# KiCad board NoU2-panelized.kicad_pcb (continued)
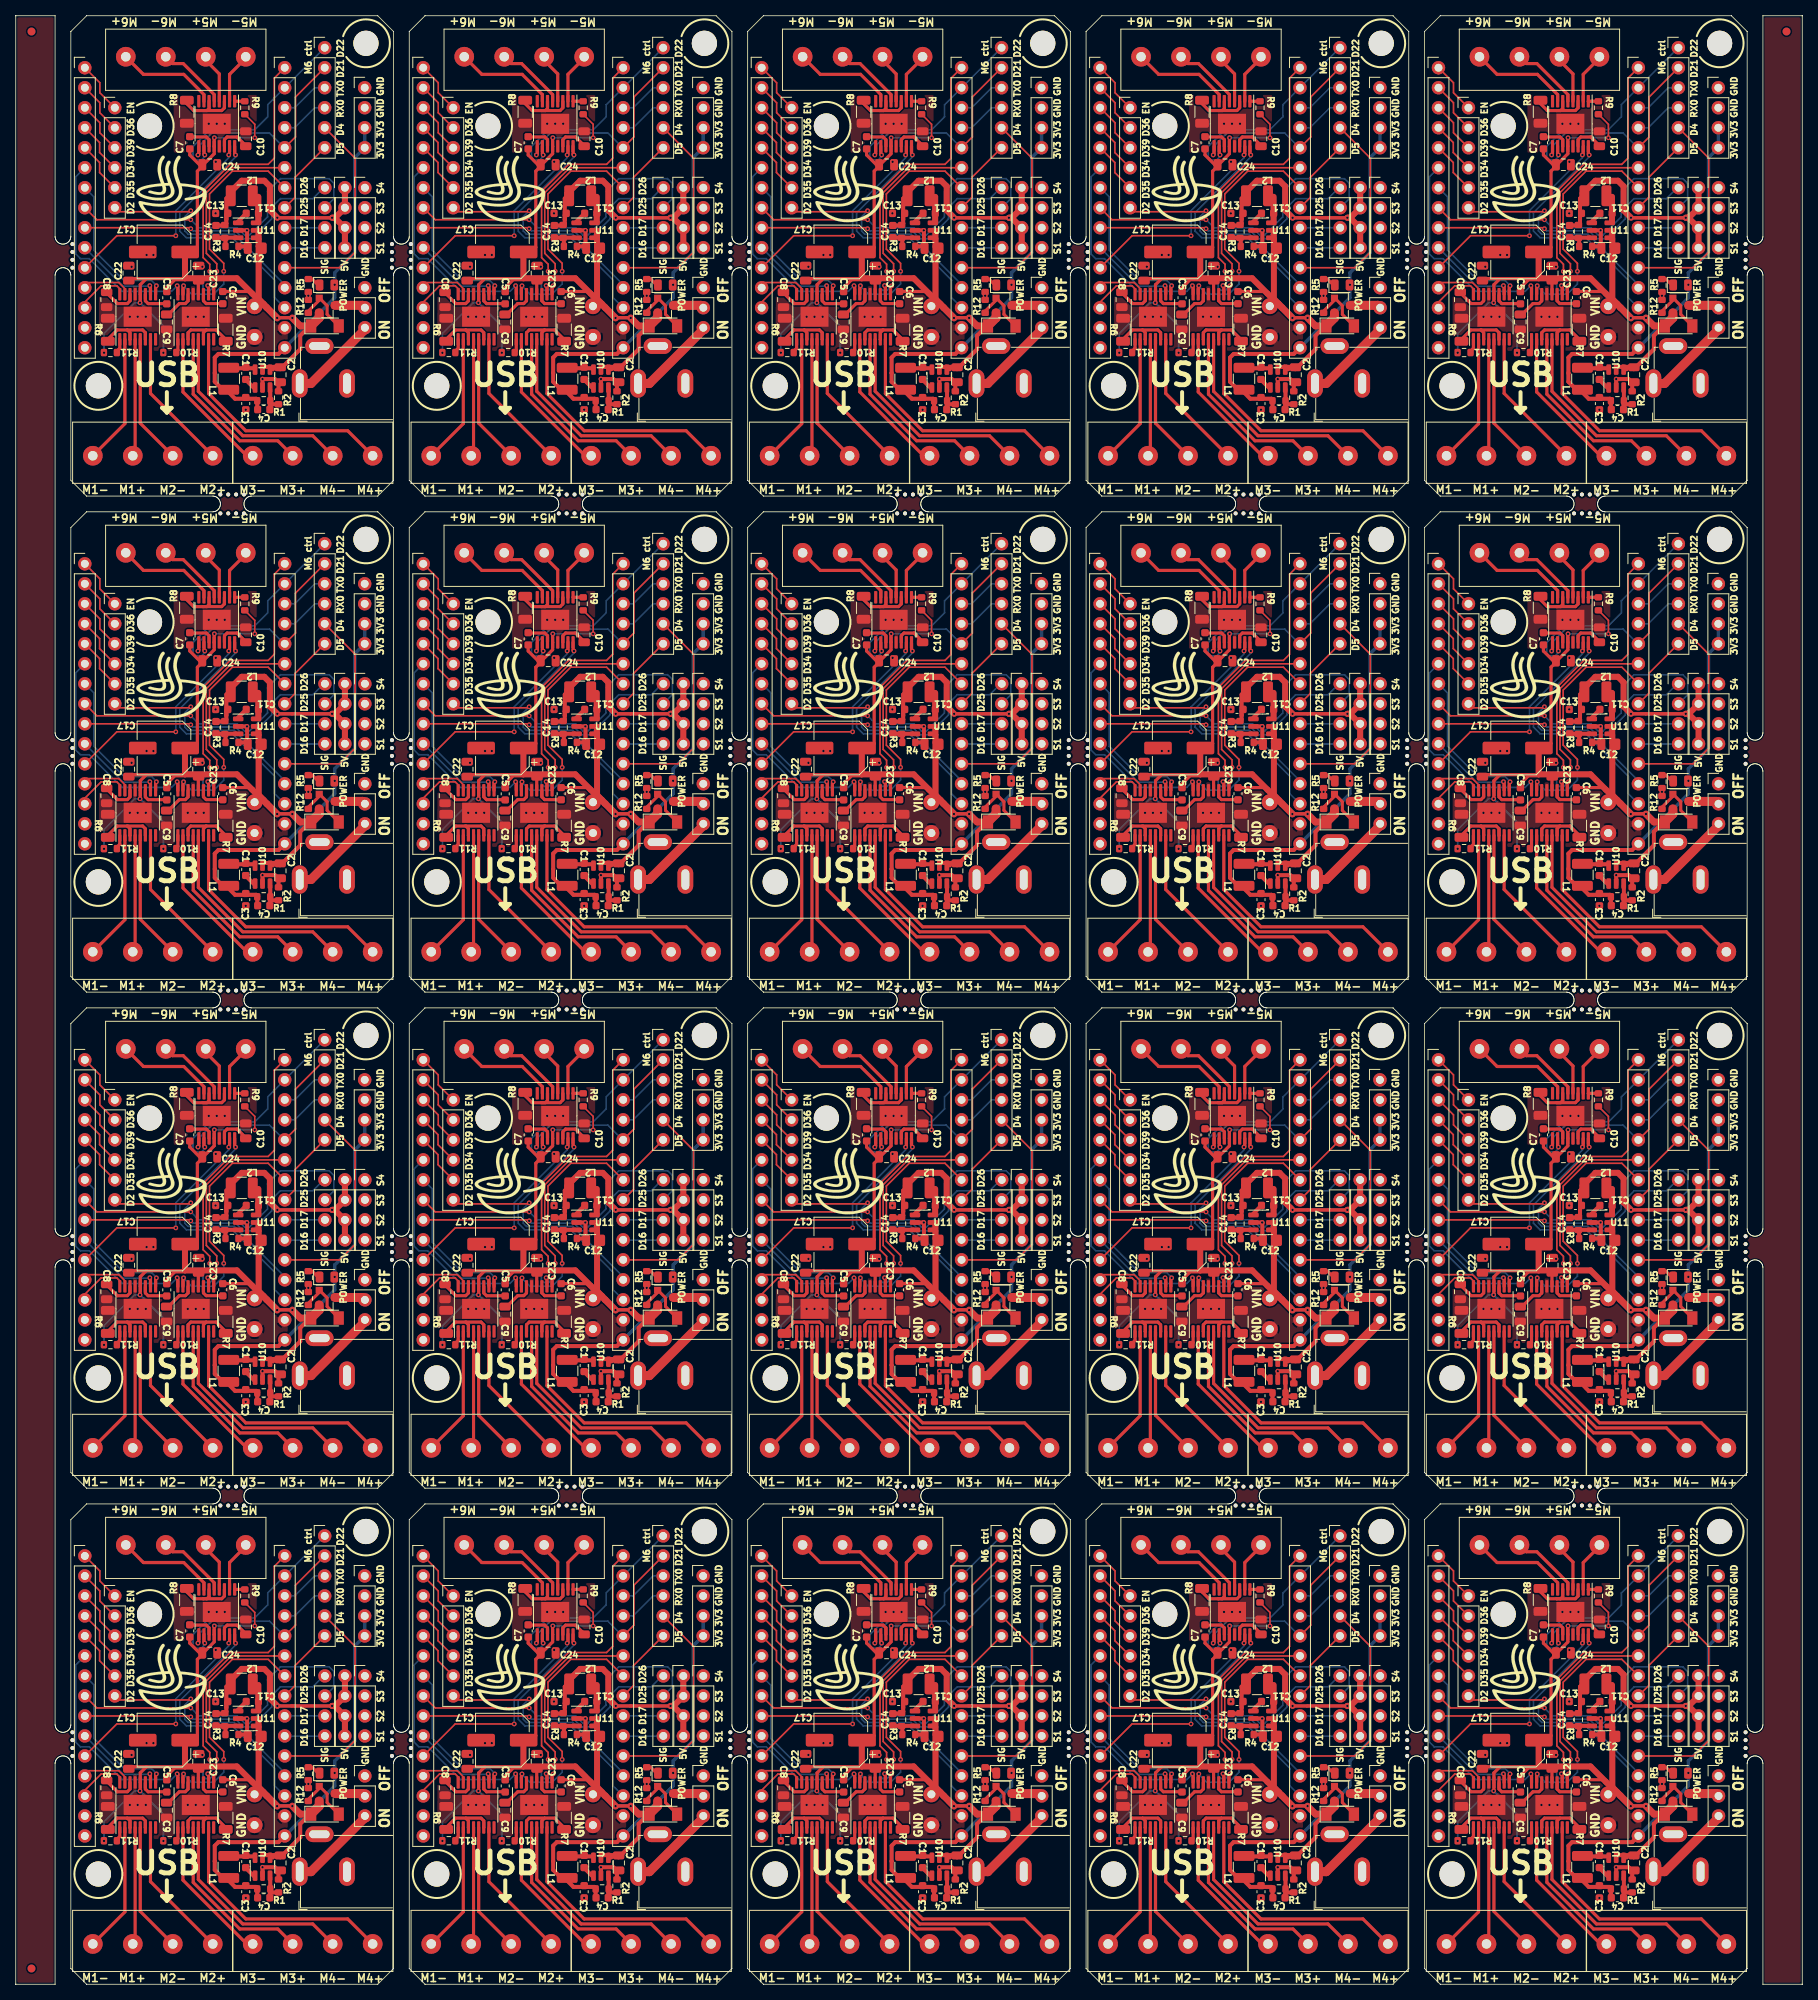
[diagram p0: board, top side]
## Routing (per net, layer and track width the routed paths; a pad name or vN(x,y) marks a point on that pad's centre or on a via; arc(x,y) is an arc through that point) (continued)
  vias: v1(57.49,85.77) v1(57.72,92.12) v1(58.5,85.77) v1(59.53,85.77) v1(59.63,93.62) v1(60.49,93.62) v1(64.86,85.77) v1(65.88,85.77) v1(66.71,92.12) v1(66.89,85.77) v1(67.53,110.28) v1(68.42,105.46) v1(68.39,98.9) v1(68.54,110.28) v1(69.56,110.28) v1(72.22,73.96) v1(80.18,88.44)
Board_11-M1A: length 6.9
  Top w0.203: U1#18.16 56.22,89.33 55.85,89.7 53.85,89.7 51.78,87.63 J10#3.13
Board_11-M1B: length 6.8
  Top w0.203: U1#18.15 56.87,89.34 56.1,90.12 51.78,90.12 J10#3.12
Board_11-M2A: length 11.3
  Top w0.399: U1#18.10 60.12,89.57 60.03,89.66
  Bottom w0.203: 60.03,89.66 56.65,89.66 J10#3.10
  vias: v1(60.03,89.72)
Board_11-M2B: length 19.4
  Top w0.399: 60.87,89.66 60.77,89.56 U1#18.9
  Bottom w0.203: 60.87,89.72 60.87,89.66 v1(60.87,89.71) 60.87,89.76 60.26,90.37 56.78,90.37 52.93,94.22 52.93,101 J10#3.7
Board_11-M3A: length 27.6
  Top w0.399: U3#11.16 63.6,89.57 63.51,89.66
  Bottom w0.203: v1(63.51,89.72) 62.79,89 56.5,89 52.35,93.15 51.23,93.15 50.63,93.75 50.63,103.54 J10#3.6
Board_11-M3B: length 30.9
  Top w0.203: 64.25,89.58 64.33,89.66 ; v1(69.43,91.54) 69.43,92.55 67.62,94.36 67.62,101.36 70.52,104.26 75.07,104.26 J11#2.7
  Top w0.399: U3#11.15 64.25,89.58
  Bottom w0.203: 64.33,89.66 65.34,88.65 68.15,88.65 69.43,89.93 v1(69.43,91.54)
  vias: v1(64.33,89.71)
Board_11-M4A: length 25.2
  Top w0.203: J11#2.6 70.39,104.7 67.22,101.53 67.22,93.83 68.54,92.5 v1(68.54,91.54)
  Top w0.399: U3#11.10 67.5,89.56 67.4,89.66
  Bottom w0.203: v1(68.54,91.54) 68.54,90.82 67.4,89.67 67.4,89.66
  vias: v1(67.4,89.74)
Board_11-M4B: length 38.7
  Top w0.203: J11#2.1 75.86,116.08 75.86,105.92 75.07,105.13 70.24,105.13 66.81,101.7 66.81,93.28 67.65,92.44 v1(67.65,91.54)
  Top w0.399: 68.26,89.66 68.15,89.55 U3#11.9
  Bottom w0.203: v1(68.29,89.71) 67.71,89.13 67.11,89.13 66.79,89.44 66.79,90.12 67.65,90.98 v1(67.65,91.54)
Board_11-M5A: length 32.5
  Top w0.399: 70.93,106.37 v1(70.93,106.32) 70.82,106.43 U2#13.16
  Bottom w0.203: v1(70.93,106.32) 70.93,106.07 63.84,98.98 63.84,96.65 64.69,95.81 70.51,95.81 75.91,90.41 75.91,88.19 77.17,86.92 J11#2.13
Board_11-M5B: length 27.4
  Top w0.203: v1(63.33,96.06) 55.84,96.06 J10#3.11
  Top w0.399: 70.07,106.37 70.17,106.47 U2#13.15
  Bottom w0.203: v1(63.33,96.06) 63.33,99.24 70.07,105.97 70.07,106.37
  vias: v1(70.07,106.32)
Board_11-M6A: length 27.3
  Top w0.203: 82.25,119.94 J1#17.1
  Top w0.399: 67.02,106.37 66.92,106.47 U2#13.10
  Bottom w0.203: 82.25,119.94 J11#2.2 75.02,112.7 75.02,111.17 73.37,109.52 67.65,109.52 65.52,107.39 65.52,106.02 65.85,105.69 66.59,105.69 67.02,106.12 v1(67.02,106.32)
Board_11-M6B: length 26.9
  Top w0.203: J1#17.2 78.55,113.69 78.55,108.61 J11#2.5
  Top w0.399: 66.15,106.37 66.27,106.49 U2#13.9
  Bottom w0.203: J11#2.5 77.11,107.24 75.24,109.11 67.92,109.11 66.27,107.46 66.27,106.49 66.15,106.37
  vias: v1(66.15,106.32)
Board_11-Net-(C1-Pad1): length 3.3
  Top w0.508: 73.43,79.23 70.15,79.23
Board_11-Net-(C1-Pad2): length 1.7
  Top w0.508: 72.2,77.8 73.37,76.63 ; 72.33,77.81 72.33,77.78
Board_11-Net-(C4-Pad1): length 4.1
  Top w0.508: 75.29,75.06 R1#15.2 75.34,76.59 ; 75.29,75.06 C4#14.1 ; 75.29,75.06 75.29,74.84 75.46,74.66 R2#7.1 ; 75.41,75.06 75.46,75.1
Board_11-Net-(C5-Pad2): length 3.7
  Top w0.399: U1#18.11 59.47,87.79 59.82,87.44 62.16,87.44 C5#3.2
Board_11-Net-(C6-Pad2): length 3.4
  Top w0.399: C6#4.2 69.28,87.45 67.19,87.45 66.85,87.79 U3#11.11
Board_11-Net-(C7-Pad2): length 3.5
  Top w0.399: U2#13.11 67.57,108.27 67.22,108.61 65.15,108.61 C7#16.2
Board_11-Net-(C8-Pad1): length 4.6
  Top w0.399: U1#18.14 57.52,87.79 57.18,87.45 55.91,87.45 54.55,88.81 C8#13.1
Board_11-Net-(C9-Pad1): length 4.3
  Top w0.399: U3#11.14 64.9,87.79 64.56,87.45 63.78,87.45 62.4,86.06 C9#14.1
Board_11-Net-(C10-Pad1): length 4.2
  Top w0.399: C10#8.1 72.22,107.51 71.12,108.61 69.86,108.61 69.52,108.27 U2#13.14
Board_11-Net-(C11-Pad1): length 3.5
  Top w0.508: 73.7,100.99 73.65,101.04 ; 73.7,99.04 C11#13.1 73.68,98.75
  Top w0.762: 73.83,99.06 73.83,101 ; 73.83,97.81 73.83,98.86
Board_11-Net-(C11-Pad2): length 1.7
  Top w0.508: 71.06,97.7 71.08,97.7 C11#13.2
Board_11-Net-(C14-Pad1): length 3.7
  Top w0.508: 71.06,95.8 71.04,95.82 C14#16.1 ; R4#16.1 69.65,95.69 R3#2.2
Board_11-Net-(D1-Pad1): length 1.6
  Top w0.381: 80.35,90.56 80.67,90.56 81.42,89.81 D1#10.1
Board_11-Net-(D2-Pad2): length 7.2
  Top w0.381: 80.2,86.27 80.2,86.51 81.56,87.87 Q1.1 82.56,87.17 82.56,86.08 D2#9.2
  Top w0.508: Q1.1 81.43,88.17
Board_11-Net-(J6-Pad1): length 16.5
  Top w0.399: J6#20.1 56.87,72.2 U1#18.2
Board_11-Net-(J6-Pad2): length 14.9
  Top w0.399: U1#18.4 58.17,68.42 J6#20.2
Board_11-Net-(J6-Pad3): length 16.5
  Top w0.399: J6#20.3 58.82,72.25 U1#18.5
Board_11-Net-(J6-Pad4): length 18.1
  Top w0.399: J6#20.4 60.12,76.03 U1#18.7
Board_11-Net-(J7-Pad1): length 18.9
  Top w0.399: U3#11.2 64.25,76.22 72.35,68.12 J7#7.1
Board_11-Net-(J7-Pad2): length 22.9
  Top w0.399: U3#11.4 65.55,75.94 71.47,70.02 76.29,70.02 J7#7.2
Board_11-Net-(J7-Pad3): length 27.1
  Top w0.399: U3#11.5 66.2,76.3 71.84,70.66 80.73,70.66 J7#7.3
Board_11-Net-(J7-Pad4): length 31
  Top w0.399: U3#11.7 67.5,76.02 72.22,71.29 85.18,71.29 J7#7.4
Board_11-Net-(J8-Pad1): length 6.5
  Top w0.399: J8#8.1 72.22,118.62 70.17,116.56 U2#13.2
Board_11-Net-(J8-Pad2): length 6.4
  Top w0.399: J8#8.2 67.14,118.34 68.87,116.61 U2#13.4
Board_11-Net-(J8-Pad3): length 9
  Top w0.399: U2#13.5 68.22,113.99 64.28,117.93 62.93,117.93 J8#8.3
Board_11-Net-(J8-Pad4): length 12.8
  Top w0.399: U2#13.7 66.92,113.99 64.35,116.56 59.22,116.56 J8#8.4
Board_11-Net-(J9-Pad1): length 11.3
  Top w1.143: 87.34,84.38 87.34,84.12 80.52,77.3 J9#3.1
Board_11-Net-(Q1-Pad3): length 3.9
  Top w1.143: U8.2 87.06,87.22 Q1.3
Board_11-Net-(R6-Pad2): length 7.8
  Top w0.399: 57.18,84.1 57.52,83.75 U1#18.3 57.52,82.91 ; 57.18,84.1 55.89,84.1 54.7,82.91 R6#16.2 ; 57.18,84.1 59.13,84.1 59.47,83.75 U1#18.6 59.47,82.91
Board_11-Net-(R7-Pad2): length 7.8
  Top w0.399: 66.84,82.9 U3#11.6 66.85,83.75 67.19,84.1 ; R7#16.2 69.69,82.89 68.47,84.1 67.19,84.1 ; 67.19,84.1 65.24,84.1 64.9,83.75 U3#11.3 64.9,82.91
Board_11-Net-(R8-Pad2): length 8.5
  Top w0.399: 64.73,113.4 64.73,112.84 65.61,111.96 66.79,111.96 ; 66.79,111.96 67.3,111.96 67.57,112.23 U2#13.6 ; 66.79,111.96 69.17,111.96 69.52,112.3 U2#13.3
Board_11-Net-(R9-Pad1): length 1.3
  Top w0.399: U2#13.1 70.82,113.14 R9.1
Board_11-Net-(R10-Pad1): length 1.7
  Top w0.399: 63.4,81.33 63.6,81.53 U3#11.1
Board_11-Net-(R11-Pad1): length 1.8
  Top w0.399: 55.78,81.33 56.22,81.77 U1#18.1
Board_11-RX0: length 6.1
  Bottom w0.203: J11#2.4 78.45,109.78 80.99,112.32 J1#17.4
Board_11-TX0: length 6.1
  Bottom w0.203: J1#17.3 80.99,114.86 78.45,112.32 J11#2.3
Board_11-VIN: length 111
  Top w0.203: v1(73.37,108.51) 73.37,110.22 R9.2
  Top w0.25: J14#4.1 74.71,87.12 74.9,86.93
  Top w0.399: C6#4.1 72.78,88.98 73.04,88.72 ; C24.1 66.82,105.08 68.22,106.48 U2#13.12 68.21,107.43 68.21,108.51 ; C24.1 66.36,105.08 65.11,106.32 C7#16.1 ; C24.1 66.7,104.89 66.08,104.26 66.08,94.59 65.49,94 C17#3.1 ; 72.01,111.4 R9.2 ; 64.49,90.47 63.31,90.47 ; 64.54,90.62 59.6,90.62 58.82,89.84 U1#18.12 58.82,87.56 58.81,87.55 ; C22#7.1 57.6,90.6 ; U3#11.12 66.2,90.35 66.21,90.36 ; C5#3.1 62.19,89.46 63.16,90.42 ; 57.65,90.62 59.62,90.62
  Top w0.432: v1(76.21,85.62) 76.25,85.65 78.11,85.65 v1(78.14,85.62)
  Top w0.508: C12.2 73.86,93.95 73.86,93.72 ; D2#9.1 80.38,84.6 79.15,83.37 79.15,81.65 76.78,79.28 76.77,79.28 76.6,79.11 ; 73.86,95.61 73.68,95.8 ; 76.52,79.41 75.61,79.41 ; 75.53,79.27 75.69,79.11 ; 74.65,79.4 75.27,79.4
  Top w0.762: 73.85,95.7 73.85,96.65 ; 74.46,87.37 73.86,87.97 73.86,95.61 ; C17#3.1 64.5,93.97 64.5,90.66 ; 64.57,90.66 71.1,90.66 73.66,88.1 73.74,88.1
  Top w0.864: v1(78.14,85.62) 79.16,84.6 D2#9.1 ; v1(76.21,85.62) 73.74,88.1
  Top w1.143: Q1.2 81.56,85.63 D2#9.1
  Bottom w0.203: v1(54.22,81.2) 54.22,83.64 58.13,87.55 v1(58.79,87.55) ; 68.21,108.51 v1(73.37,108.51)
  Bottom w0.25: v1(61.76,81.2) 61.76,84.58 v1(58.79,87.55)
  Bottom w0.432: v1(76.21,85.62) 76.25,85.65 78.11,85.65 v1(78.14,85.62)
  vias: v1(68.24,108.51)
Board_12-3V3: length 53
  Top w0.508: 116.81,74.04 116.86,73.99 ; J11#8.15 119.39,81.05 111.75,81.05 111.29,80.59 111.29,78.63 111.29,78.63 111.29,77.52 112.56,76.25 113.2,76.25 ; 113.07,76.37 112.94,76.5 112.94,76.29 113.87,75.36 116.56,75.36 116.81,75.1 ; R1#5.1 116.69,74.04
  Bottom w0.432: J11#8.15 126.53,88.19 v1(126.53,89.84) 126.53,91.36 129.09,93.92 129.09,105.99 J3#3.4 J3#3.3
Board_12-5V: length 40.3
  Top w0.432: v1(126.2,98.35) v1(119.24,98.35)
  Top w0.508: 112.98,99.1 112.98,98.9 112.76,98.69 112.76,98.14 ; 112.76,98.14 112.76,97.63 R3#18.1 112.5,97.37 C14#18.2 ; 112.76,98.14 112.76,100.79 113.11,101.14
  Top w0.762: v1(119.24,98.35) 118.3,99.29 118.3,102.33 117.59,103.05 115.58,103.05 115.57,103.04 114.72,103.04 113.11,101.43 113.11,101.14 ; 127.82,94.51 127.82,97.05 126.53,98.35 v1(126.2,98.35) 126.58,98.35 127.82,99.59 J12#16.1
  Bottom w0.432: v1(126.2,98.35) v1(119.24,98.35)
Board_12-/Sheet6057E9B8/D16: length 5.1
  Top w0.203: 120.21,94.51 J11#8.10
  Bottom w0.203: 125.28,94.51 120.21,94.51
Board_12-/Sheet6057E9B8/D17: length 5.1
  Top w0.203: 125.25,97.08 125.28,97.05
  Bottom w0.203: J11#8.9 125.25,97.08
Board_12-/Sheet6057E9B8/D34: length 6.7
  Top w0.203: 98.59,104.7 96.66,106.63 96.66,107.9 J10#9.4
Board_12-/Sheet6057E9B8/D35: length 6.7
  Top w0.203: 98.59,102.16 96.66,104.09 96.66,105.36 J10#9.5
Board_12-/Sheet6057E9B8/D36: length 6.7
  Top w0.203: J10#9.2 96.68,112.95 96.68,111.68 98.59,109.78
Board_12-/Sheet6057E9B8/D39: length 6.7
  Top w0.203: 98.59,107.24 96.68,109.14 96.68,110.41 J10#9.3
Board_12-/Sheet6057E9B8/EN: length 7.3
  Top w0.203: J10#9.1 96.68,115.49 96.68,114.22 98.59,112.32
  Top w0.399: 94.78,116.76 J10#9.1
Board_12-D2: length 28.7
  Top w0.203: v1(108.24,99.24) 108.11,99.11 99.1,99.11 J4#11.6
  Bottom w0.203: J11#8.12 120.18,89.84 113.77,96.25 107.9,96.25 107.48,96.67 107.48,98.47 v1(108.24,99.24)
Board_12-D4: length 27.2
  Top w0.203: J11#8.11 127.14,92 129.12,93.98 129.12,105.92 J1#12.5
Board_12-D5: length 9.7
  Top w0.203: J11#8.8 121.5,100.94 121.5,103.48 J1#12.6
Board_12-D25: length 41.8
  Top w0.203: v1(108.24,98.09) 96.3,98.09 J10#9.8
  Bottom w0.203: J2#16.2 126.44,100.77 126.44,102.71 125.83,103.31 119.63,103.31 118,101.68 118,98.46 115.68,96.14 115.08,96.14 114.15,97.08 109.26,97.08 v1(108.24,98.09)
Board_12-D26: length 34.6
  Top w0.203: v1(108.24,96.95) 108.15,97.08 J10#9.9
  Bottom w0.203: J2#16.1 125.13,102.16 123.75,100.77 119.63,100.77 118.53,99.67 118.53,98.22 115.99,95.68 114.91,95.68 113.91,96.67 108.52,96.67 v1(108.24,96.95)
Board_12-GND: length 10.3
  Top w0.508: R12#19.2 R5#9.1 123.15,88.88 ; 117.36,76.61 v1(117.36,77.86) 118.93,77.86 119.33,77.46 119.61,77.46 119.39,77.24 119.39,76.31 ; 115.32,73.98 115.32,73.98 ; 114.06,96.75 v1(115.38,96.75) 115.4,96.72 115.4,94.8 115.31,94.71 R4#4.2
  vias: v1(100.49,85.77) v1(100.72,92.12) v1(101.5,85.77) v1(102.53,85.77) v1(102.63,93.62) v1(103.49,93.62) v1(107.86,85.77) v1(108.88,85.77) v1(109.71,92.12) v1(109.89,85.77) v1(110.53,110.28) v1(111.42,105.46) v1(111.39,98.9) v1(111.54,110.28) v1(112.56,110.28) v1(115.22,73.96) v1(123.18,88.44)
Board_12-M1A: length 6.9
  Top w0.203: J10#9.13 94.78,87.63 96.85,89.7 98.85,89.7 99.22,89.33 U1#9.16
Board_12-M1B: length 6.8
  Top w0.203: J10#9.12 94.78,90.12 99.1,90.12 99.87,89.34 U1#9.15
Board_12-M2A: length 11.3
  Top w0.399: 103.03,89.66 103.12,89.57 U1#9.10
  Bottom w0.203: J10#9.10 99.65,89.66 103.03,89.66
  vias: v1(103.03,89.72)
Board_12-M2B: length 19.4
  Top w0.399: 103.87,89.66 103.77,89.56 U1#9.9
  Bottom w0.203: J10#9.7 95.93,101 95.93,94.22 99.78,90.37 103.26,90.37 103.87,89.76 v1(103.87,89.71) 103.87,89.66 103.87,89.72
Board_12-M3A: length 27.6
  Top w0.399: 106.51,89.66 106.6,89.57 U3#4.16
  Bottom w0.203: v1(106.51,89.72) 105.79,89 99.5,89 95.35,93.15 94.23,93.15 93.63,93.75 93.63,103.54 J10#9.6
Board_12-M3B: length 30.9
  Top w0.203: 107.25,89.58 107.33,89.66 ; J11#8.7 118.07,104.26 113.52,104.26 110.62,101.36 110.62,94.36 112.43,92.55 v1(112.43,91.54)
  Top w0.399: U3#4.15 107.25,89.58
  Bottom w0.203: v1(112.43,91.54) 112.43,89.93 111.15,88.65 108.34,88.65 107.33,89.66
  vias: v1(107.33,89.71)
Board_12-M4A: length 25.2
  Top w0.203: J11#8.6 113.39,104.7 110.22,101.53 110.22,93.83 111.54,92.5 v1(111.54,91.54)
  Top w0.399: U3#4.10 110.5,89.56 110.4,89.66
  Bottom w0.203: v1(111.54,91.54) 111.54,90.82 110.4,89.67 110.4,89.66
  vias: v1(110.4,89.74)
Board_12-M4B: length 38.7
  Top w0.203: J11#8.1 118.86,116.08 118.86,105.92 118.07,105.13 113.24,105.13 109.81,101.7 109.81,93.28 110.65,92.44 v1(110.65,91.54)
  Top w0.399: 111.26,89.66 111.15,89.55 U3#4.9
  Bottom w0.203: v1(111.29,89.71) 110.71,89.13 110.11,89.13 109.79,89.44 109.79,90.12 110.65,90.98 v1(110.65,91.54)
Board_12-M5A: length 32.5
  Top w0.399: U2#18.16 113.82,106.43 v1(113.93,106.32) 113.93,106.37
  Bottom w0.203: v1(113.93,106.32) 113.93,106.07 106.84,98.98 106.84,96.65 107.69,95.81 113.51,95.81 118.91,90.41 118.91,88.19 120.17,86.92 J11#8.13
Board_12-M5B: length 27.4
  Top w0.203: J10#9.11 98.84,96.06 v1(106.33,96.06)
  Top w0.399: U2#18.15 113.17,106.47 113.07,106.37
  Bottom w0.203: 113.07,106.37 113.07,105.97 106.33,99.24 v1(106.33,96.06)
  vias: v1(113.07,106.32)
Board_12-M6A: length 27.3
  Top w0.203: 125.25,119.94 J1#12.1
  Top w0.399: 110.02,106.37 109.92,106.47 U2#18.10
  Bottom w0.203: v1(110.02,106.32) 110.02,106.12 109.59,105.69 108.85,105.69 108.52,106.02 108.52,107.39 110.65,109.52 116.37,109.52 118.02,111.17 118.02,112.7 J11#8.2 125.25,119.94
Board_12-M6B: length 26.9
  Top w0.203: J1#12.2 121.55,113.69 121.55,108.61 J11#8.5
  Top w0.399: U2#18.9 109.27,106.49 109.15,106.37
  Bottom w0.203: 109.15,106.37 109.27,106.49 109.27,107.46 110.92,109.11 118.24,109.11 120.11,107.24 J11#8.5
  vias: v1(109.15,106.32)
Board_12-Net-(C1-Pad1): length 3.3
  Top w0.508: 116.43,79.23 113.15,79.23
Board_12-Net-(C1-Pad2): length 1.7
  Top w0.508: 115.33,77.81 115.33,77.78 ; 115.2,77.8 116.37,76.63
Board_12-Net-(C4-Pad1): length 4.1
  Top w0.508: C4#15.1 118.29,75.06 ; 118.29,75.06 R1#5.2 118.34,76.59 ; 118.29,75.06 118.29,74.84 118.46,74.66 R2#10.1 ; 118.41,75.06 118.46,75.1
Board_12-Net-(C5-Pad2): length 3.7
  Top w0.399: C5#5.2 105.16,87.44 102.82,87.44 102.47,87.79 U1#9.11
Board_12-Net-(C6-Pad2): length 3.4
  Top w0.399: U3#4.11 109.85,87.79 110.19,87.45 112.28,87.45 C6#11.2
Board_12-Net-(C7-Pad2): length 3.5
  Top w0.399: U2#18.11 110.57,108.27 110.22,108.61 108.15,108.61 C7#5.2
Board_12-Net-(C8-Pad1): length 4.6
  Top w0.399: U1#9.14 100.52,87.79 100.18,87.45 98.91,87.45 97.55,88.81 C8#12.1
Board_12-Net-(C9-Pad1): length 4.3
  Top w0.399: C9#17.1 105.4,86.06 106.78,87.45 107.56,87.45 107.9,87.79 U3#4.14
Board_12-Net-(C10-Pad1): length 4.2
  Top w0.399: U2#18.14 112.52,108.27 112.86,108.61 114.12,108.61 115.22,107.51 C10#13.1
Board_12-Net-(C11-Pad1): length 3.5
  Top w0.508: 116.7,100.99 116.65,101.04 ; 116.68,98.75 C11#18.1 116.7,99.04
  Top w0.762: 116.83,99.06 116.83,101 ; 116.83,97.81 116.83,98.86
Board_12-Net-(C11-Pad2): length 1.7
  Top w0.508: C11#18.2 114.08,97.7 114.06,97.7
Board_12-Net-(C14-Pad1): length 3.7
  Top w0.508: C14#18.1 114.04,95.82 114.06,95.8 ; R3#18.2 112.65,95.69 R4#4.1
Board_12-Net-(D1-Pad1): length 1.6
  Top w0.381: D1#8.1 124.42,89.81 123.67,90.56 123.35,90.56
Board_12-Net-(D2-Pad2): length 7.2
  Top w0.381: 123.2,86.27 123.2,86.51 124.56,87.87 Q1#16.1 125.56,87.17 125.56,86.08 D2#2.2
  Top w0.508: Q1#16.1 124.43,88.17
Board_12-Net-(J6-Pad1): length 16.5
  Top w0.399: J6#15.1 99.87,72.2 U1#9.2
Board_12-Net-(J6-Pad2): length 14.9
  Top w0.399: U1#9.4 101.17,68.42 J6#15.2
Board_12-Net-(J6-Pad3): length 16.5
  Top w0.399: U1#9.5 101.82,72.25 J6#15.3
Board_12-Net-(J6-Pad4): length 18.1
  Top w0.399: U1#9.7 103.12,76.03 J6#15.4
Board_12-Net-(J7-Pad1): length 18.9
  Top w0.399: J7#12.1 115.35,68.12 107.25,76.22 U3#4.2
Board_12-Net-(J7-Pad2): length 22.9
  Top w0.399: U3#4.4 108.55,75.94 114.47,70.02 119.29,70.02 J7#12.2
Board_12-Net-(J7-Pad3): length 27.1
  Top w0.399: J7#12.3 123.73,70.66 114.84,70.66 109.2,76.3 U3#4.5
Board_12-Net-(J7-Pad4): length 31
  Top w0.399: J7#12.4 128.18,71.29 115.22,71.29 110.5,76.02 U3#4.7
Board_12-Net-(J8-Pad1): length 6.5
  Top w0.399: J8#12.1 115.22,118.62 113.17,116.56 U2#18.2
Board_12-Net-(J8-Pad2): length 6.4
  Top w0.399: J8#12.2 110.14,118.34 111.87,116.61 U2#18.4
Board_12-Net-(J8-Pad3): length 9
  Top w0.399: J8#12.3 105.93,117.93 107.28,117.93 111.22,113.99 U2#18.5
Board_12-Net-(J8-Pad4): length 12.8
  Top w0.399: J8#12.4 102.22,116.56 107.35,116.56 109.92,113.99 U2#18.7
Board_12-Net-(J9-Pad1): length 11.3
  Top w1.143: 130.34,84.38 130.34,84.12 123.52,77.3 J9#2.1
Board_12-Net-(Q1-Pad3): length 3.9
  Top w1.143: U8#9.2 130.06,87.22 Q1#16.3
Board_12-Net-(R6-Pad2): length 7.8
  Top w0.399: 102.47,82.91 U1#9.6 102.47,83.75 102.13,84.1 100.18,84.1 ; R6#13.2 97.7,82.91 98.89,84.1 100.18,84.1 ; 100.18,84.1 100.52,83.75 U1#9.3 100.52,82.91
Board_12-Net-(R7-Pad2): length 7.8
  Top w0.399: 110.19,84.1 108.24,84.1 107.9,83.75 U3#4.3 107.9,82.91 ; 110.19,84.1 109.85,83.75 U3#4.6 109.84,82.9 ; 110.19,84.1 111.47,84.1 112.69,82.89 R7#3.2
Board_12-Net-(R8-Pad2): length 8.5
  Top w0.399: 109.79,111.96 110.3,111.96 110.57,112.23 U2#18.6 ; 109.79,111.96 112.17,111.96 112.52,112.3 U2#18.3 ; 109.79,111.96 108.61,111.96 107.73,112.84 107.73,113.4
Board_12-Net-(R9-Pad1): length 1.3
  Top w0.399: U2#18.1 113.82,113.14 R9#7.1
Board_12-Net-(R10-Pad1): length 1.7
  Top w0.399: U3#4.1 106.6,81.53 106.4,81.33
Board_12-Net-(R11-Pad1): length 1.8
  Top w0.399: U1#9.1 99.22,81.77 98.78,81.33
Board_12-RX0: length 6.1
  Bottom w0.203: J11#8.4 121.45,109.78 123.99,112.32 J1#12.4
Board_12-TX0: length 6.1
  Bottom w0.203: J1#12.3 123.99,114.86 121.45,112.32 J11#8.3
Board_12-VIN: length 111
  Top w0.203: R9#7.2 116.37,110.22 v1(116.37,108.51)
  Top w0.25: 117.9,86.93 117.71,87.12 J14#12.1
  Top w0.399: 111.21,108.51 111.21,107.43 U2#18.12 111.22,106.48 109.82,105.08 C24#12.1 ; 115.01,111.4 R9#7.2 ; 101.81,87.55 101.82,87.56 U1#9.12 101.82,89.84 102.6,90.62 107.54,90.62 ; C24#12.1 109.36,105.08 108.11,106.32 C7#5.1 ; C24#12.1 109.7,104.89 109.08,104.26 109.08,94.59 108.49,94 C17#16.1 ; C6#11.1 115.78,88.98 116.04,88.72 ; 100.65,90.62 102.62,90.62 ; 106.16,90.42 105.19,89.46 C5#5.1 ; 107.49,90.47 106.31,90.47 ; 109.21,90.36 109.2,90.35 U3#4.12 ; C22#6.1 100.6,90.6
  Top w0.432: v1(119.21,85.62) 119.25,85.65 121.11,85.65 v1(121.14,85.62)
  Top w0.508: 117.65,79.4 118.27,79.4 ; D2#2.1 123.38,84.6 122.15,83.37 122.15,81.65 119.78,79.28 119.77,79.28 119.6,79.11 ; C12#13.2 116.86,93.95 116.86,93.72 ; 118.53,79.27 118.69,79.11 ; 119.52,79.41 118.61,79.41 ; 116.86,95.61 116.68,95.8
  Top w0.762: 116.86,95.61 116.86,87.97 117.46,87.37 ; 116.74,88.1 116.66,88.1 114.1,90.66 107.57,90.66 ; 107.5,90.66 107.5,93.97 C17#16.1 ; 116.85,95.7 116.85,96.65
  Top w0.864: v1(121.14,85.62) 122.16,84.6 D2#2.1 ; 116.74,88.1 v1(119.21,85.62)
  Top w1.143: Q1#16.2 124.56,85.63 D2#2.1
  Bottom w0.203: 111.21,108.51 v1(116.37,108.51) ; v1(101.79,87.55) 101.13,87.55 97.22,83.64 v1(97.22,81.2)
  Bottom w0.25: v1(101.79,87.55) 104.76,84.58 v1(104.76,81.2)
  Bottom w0.432: v1(119.21,85.62) 119.25,85.65 121.11,85.65 v1(121.14,85.62)
  vias: v1(111.24,108.51)
Board_13-3V3: length 53
  Top w0.508: 159.81,75.1 159.56,75.36 156.87,75.36 155.94,76.29 155.94,76.5 156.07,76.37 ; R1#7.1 159.69,74.04 ; 159.81,74.04 159.86,73.99 ; 156.2,76.25 155.56,76.25 154.29,77.52 154.29,78.63 154.29,78.63 154.29,80.59 154.75,81.05 162.39,81.05 J11#5.15
  Bottom w0.432: J11#5.15 169.53,88.19 v1(169.53,89.84) 169.53,91.36 172.09,93.92 172.09,105.99 J3#4.4 J3#4.3
Board_13-5V: length 40.3
  Top w0.432: v1(169.2,98.35) v1(162.24,98.35)
  Top w0.508: C14#11.2 155.5,97.37 R3#9.1 155.76,97.63 155.76,98.14 ; 155.76,98.14 155.76,100.79 156.11,101.14 ; 155.76,98.14 155.76,98.69 155.98,98.9 155.98,99.1
  Top w0.762: 170.82,94.51 170.82,97.05 169.53,98.35 v1(169.2,98.35) 169.58,98.35 170.82,99.59 J12#19.1 ; 156.11,101.14 156.11,101.43 157.72,103.04 158.57,103.04 158.58,103.05 160.59,103.05 161.3,102.33 161.3,99.29 v1(162.24,98.35)
  Bottom w0.432: v1(169.2,98.35) v1(162.24,98.35)
Board_13-/Sheet6057E9B8/D16: length 5.1
  Top w0.203: 163.21,94.51 J11#5.10
  Bottom w0.203: 168.28,94.51 163.21,94.51
Board_13-/Sheet6057E9B8/D17: length 5.1
  Top w0.203: 168.25,97.08 168.28,97.05
  Bottom w0.203: J11#5.9 168.25,97.08
Board_13-/Sheet6057E9B8/D34: length 6.7
  Top w0.203: 141.59,104.7 139.66,106.63 139.66,107.9 J10#12.4
Board_13-/Sheet6057E9B8/D35: length 6.7
  Top w0.203: J10#12.5 139.66,105.36 139.66,104.09 141.59,102.16
Board_13-/Sheet6057E9B8/D36: length 6.7
  Top w0.203: J10#12.2 139.68,112.95 139.68,111.68 141.59,109.78
Board_13-/Sheet6057E9B8/D39: length 6.7
  Top w0.203: J10#12.3 139.68,110.41 139.68,109.14 141.59,107.24
Board_13-/Sheet6057E9B8/EN: length 7.3
  Top w0.203: 141.59,112.32 139.68,114.22 139.68,115.49 J10#12.1
  Top w0.399: 137.78,116.76 J10#12.1
Board_13-D2: length 28.7
  Top w0.203: J4#3.6 142.1,99.11 151.11,99.11 v1(151.24,99.24)
  Bottom w0.203: J11#5.12 163.18,89.84 156.77,96.25 150.9,96.25 150.48,96.67 150.48,98.47 v1(151.24,99.24)
Board_13-D4: length 27.2
  Top w0.203: J11#5.11 170.14,92 172.12,93.98 172.12,105.92 J1.5
Board_13-D5: length 9.7
  Top w0.203: J1.6 164.5,103.48 164.5,100.94 J11#5.8
Board_13-D25: length 41.8
  Top w0.203: v1(151.24,98.09) 139.3,98.09 J10#12.8
  Bottom w0.203: v1(151.24,98.09) 152.26,97.08 157.15,97.08 158.08,96.14 158.68,96.14 161,98.46 161,101.68 162.63,103.31 168.83,103.31 169.44,102.71 169.44,100.77 J2#6.2
Board_13-D26: length 34.6
  Top w0.203: J10#12.9 151.15,97.08 v1(151.24,96.95)
  Bottom w0.203: v1(151.24,96.95) 151.52,96.67 156.91,96.67 157.91,95.68 158.99,95.68 161.53,98.22 161.53,99.67 162.63,100.77 166.75,100.77 168.13,102.16 J2#6.1
Board_13-GND: length 10.3
  Top w0.508: 160.36,76.61 v1(160.36,77.86) 161.93,77.86 162.33,77.46 162.61,77.46 162.39,77.24 162.39,76.31 ; 158.32,73.98 158.32,73.98 ; R12#13.2 R5#19.1 166.15,88.88 ; 157.06,96.75 v1(158.38,96.75) 158.4,96.72 158.4,94.8 158.31,94.71 R4#10.2
  vias: v1(143.49,85.77) v1(143.72,92.12) v1(144.5,85.77) v1(145.53,85.77) v1(145.63,93.62) v1(146.49,93.62) v1(150.86,85.77) v1(151.88,85.77) v1(152.71,92.12) v1(152.89,85.77) v1(153.53,110.28) v1(154.41,105.46) v1(154.39,98.9) v1(154.54,110.28) v1(155.56,110.28) v1(158.22,73.96) v1(166.18,88.44)
Board_13-M1A: length 6.9
  Top w0.203: J10#12.13 137.78,87.63 139.85,89.7 141.85,89.7 142.22,89.33 U1#17.16
Board_13-M1B: length 6.8
  Top w0.203: J10#12.12 137.78,90.12 142.1,90.12 142.87,89.34 U1#17.15
Board_13-M2A: length 11.3
  Top w0.399: U1#17.10 146.12,89.57 146.03,89.66
  Bottom w0.203: J10#12.10 142.65,89.66 146.03,89.66
  vias: v1(146.03,89.72)
Board_13-M2B: length 19.4
  Top w0.399: U1#17.9 146.77,89.56 146.87,89.66
  Bottom w0.203: 146.87,89.72 146.87,89.66 v1(146.87,89.71) 146.87,89.76 146.26,90.37 142.78,90.37 138.93,94.22 138.93,101 J10#12.7
Board_13-M3A: length 27.6
  Top w0.399: 149.51,89.66 149.6,89.57 U3#8.16
  Bottom w0.203: J10#12.6 136.63,103.54 136.63,93.75 137.23,93.15 138.35,93.15 142.5,89 148.79,89 v1(149.51,89.72)
Board_13-M3B: length 30.9
  Top w0.203: 150.25,89.58 150.33,89.66 ; v1(155.43,91.54) 155.43,92.55 153.62,94.36 153.62,101.36 156.52,104.26 161.07,104.26 J11#5.7
  Top w0.399: U3#8.15 150.25,89.58
  Bottom w0.203: v1(155.43,91.54) 155.43,89.93 154.15,88.65 151.34,88.65 150.33,89.66
  vias: v1(150.33,89.71)
Board_13-M4A: length 25.2
  Top w0.203: J11#5.6 156.39,104.7 153.22,101.53 153.22,93.83 154.54,92.5 v1(154.54,91.54)
  Top w0.399: U3#8.10 153.5,89.56 153.4,89.66
  Bottom w0.203: v1(154.54,91.54) 154.54,90.82 153.4,89.67 153.4,89.66
  vias: v1(153.4,89.74)
Board_13-M4B: length 38.7
  Top w0.203: v1(153.65,91.54) 153.65,92.44 152.81,93.28 152.81,101.7 156.24,105.13 161.07,105.13 161.86,105.92 161.86,116.08 J11#5.1
  Top w0.399: 154.26,89.66 154.15,89.55 U3#8.9
  Bottom w0.203: v1(154.29,89.71) 153.71,89.13 153.11,89.13 152.79,89.44 152.79,90.12 153.65,90.98 v1(153.65,91.54)
Board_13-M5A: length 32.5
  Top w0.399: 156.93,106.37 v1(156.93,106.32) 156.82,106.43 U2#3.16
  Bottom w0.203: v1(156.93,106.32) 156.93,106.07 149.84,98.98 149.84,96.65 150.69,95.81 156.51,95.81 161.91,90.41 161.91,88.19 163.17,86.92 J11#5.13
Board_13-M5B: length 27.4
  Top w0.203: J10#12.11 141.84,96.06 v1(149.34,96.06)
  Top w0.399: U2#3.15 156.17,106.47 156.07,106.37
  Bottom w0.203: 156.07,106.37 156.07,105.97 149.34,99.24 v1(149.34,96.06)
  vias: v1(156.07,106.32)
Board_13-M6A: length 27.3
  Top w0.203: 168.25,119.94 J1.1
  Top w0.399: 153.02,106.37 152.92,106.47 U2#3.10
  Bottom w0.203: v1(153.02,106.32) 153.02,106.12 152.59,105.69 151.85,105.69 151.52,106.02 151.52,107.39 153.65,109.52 159.37,109.52 161.02,111.17 161.02,112.7 J11#5.2 168.25,119.94
Board_13-M6B: length 26.9
  Top w0.203: J11#5.5 164.55,108.61 164.55,113.69 J1.2
  Top w0.399: U2#3.9 152.27,106.49 152.15,106.37
  Bottom w0.203: 152.15,106.37 152.27,106.49 152.27,107.46 153.92,109.11 161.24,109.11 163.11,107.24 J11#5.5
  vias: v1(152.15,106.32)
